# Altium PCB PCB.PcbDoc (part 2 of 2)
Units mil, origin at the board's own origin, x right, y up, seen from the top; angles counter-clockwise.
Board outline 3910.03 x 3905.03 mil, 4 copper layers (Top Layer, Int1 (GND), Int2 (PWR), Bottom Layer), stack 62.449 mil thick; 120 components, 95 nets, 487 pads, 251 vias.
Unrouted connection lines stored in the file: 2.
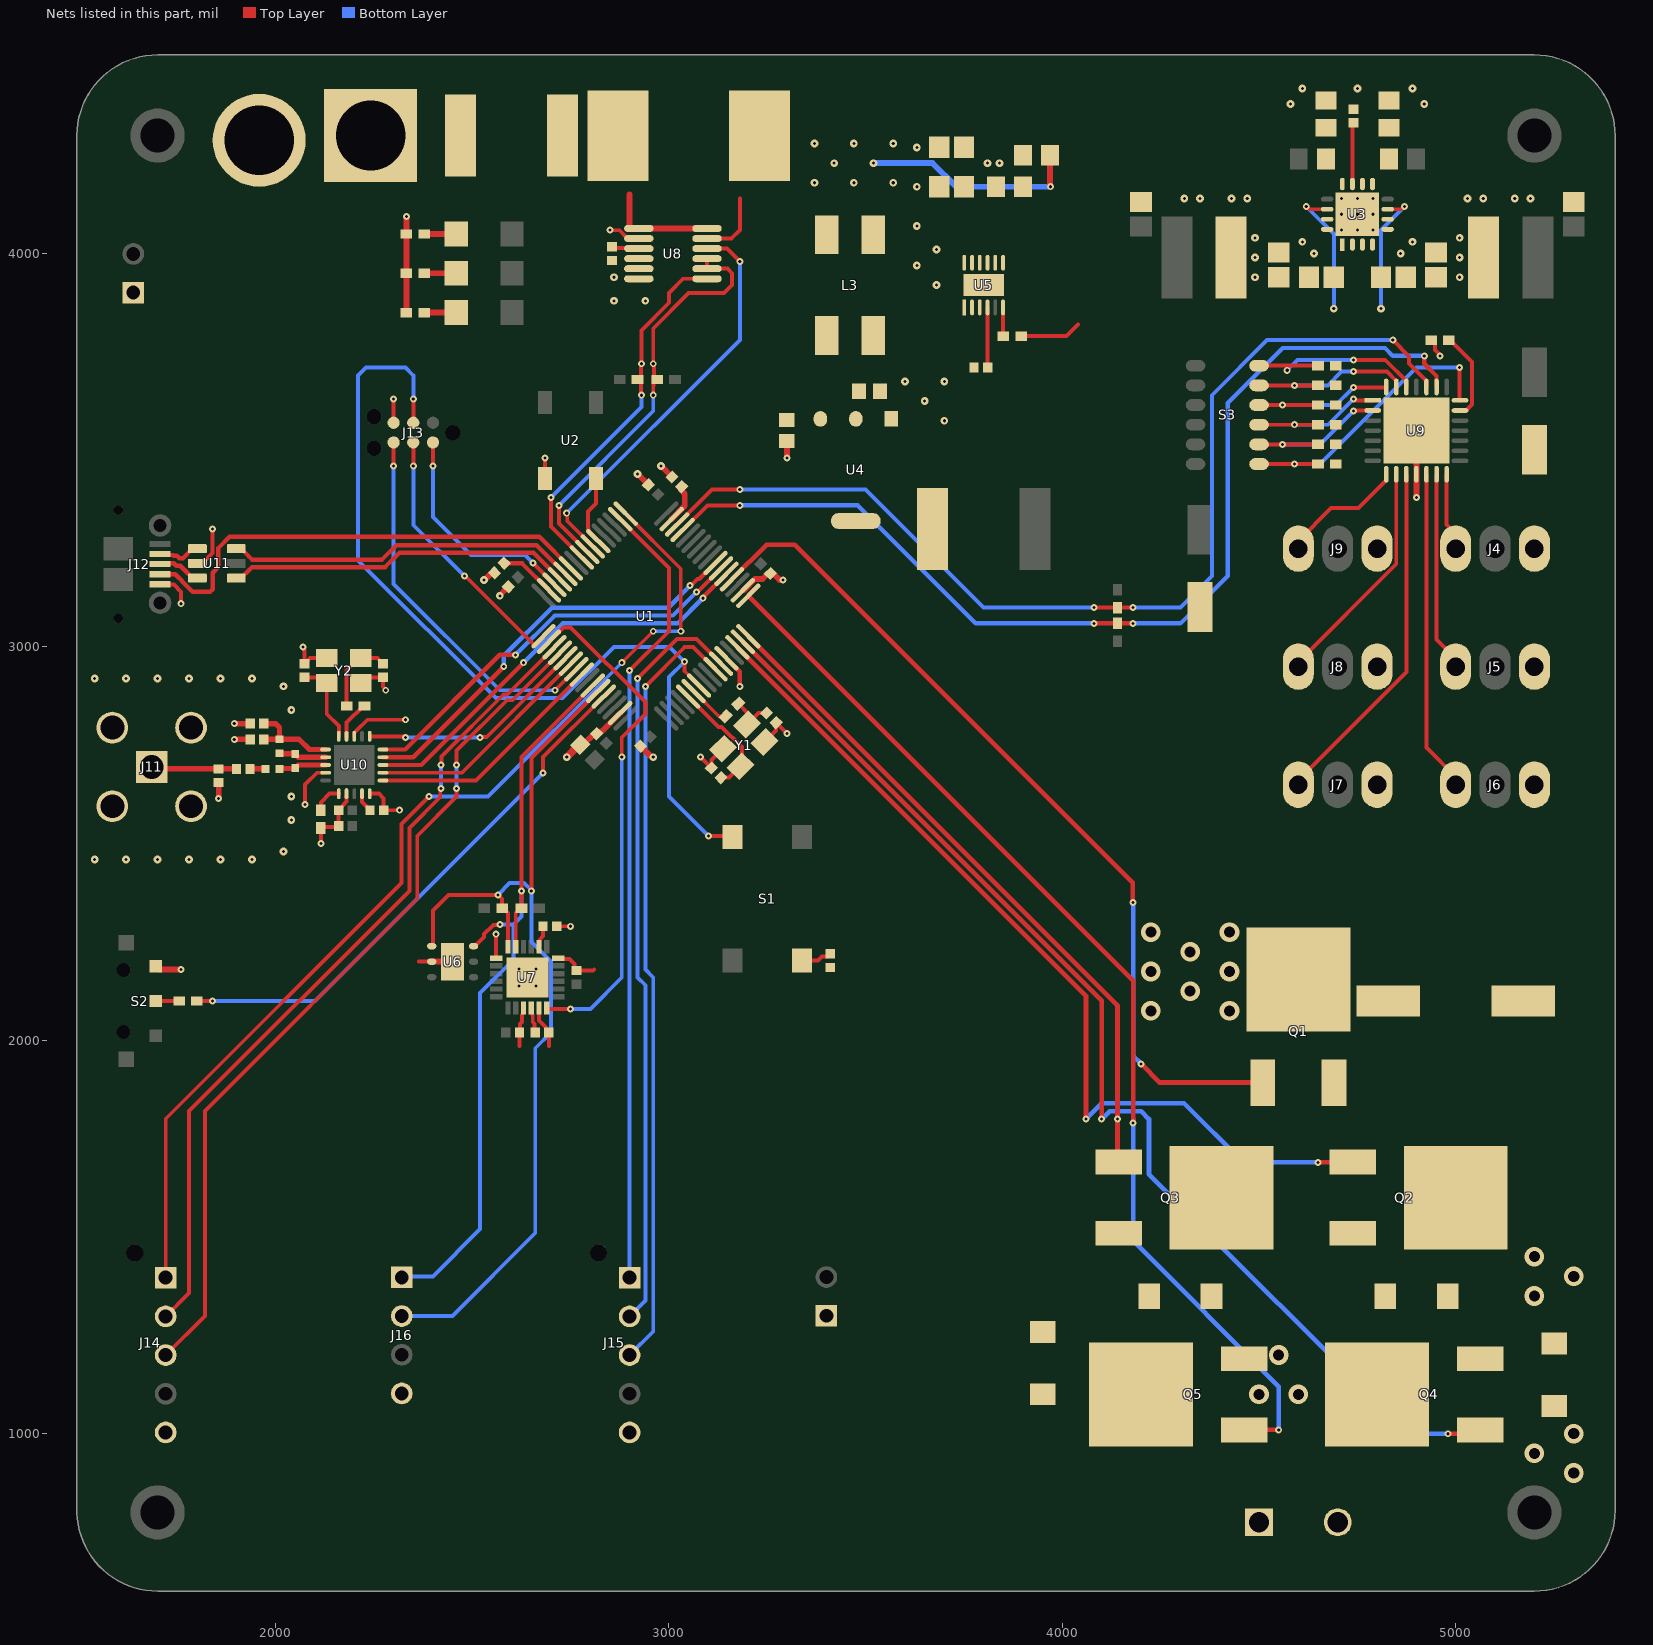
[diagram p4: the nets of this part, all layers, seen from the top]

## Via types
v1: diameter 17.72, hole 7.87, Top Layer to Bottom Layer, tented both sides, 125 vias
v2: diameter 19.68, hole 7.87, Top Layer to Bottom Layer, tented both sides, 109 vias
v3: diameter 50, hole 28, Top Layer to Bottom Layer, tented both sides, 17 vias

## Nets (pads, with @x,y where several pads share a name; then routed paths per layer and width w, separated by ;. In a path a pad name is that pad's centre, name@x,y a point inside that pad or via, vN(x,y) a via of type N, cw(c..) or ccw(c..) an arc to the next point about the centre after c; other vN are vias at no path point) (continued)
+10V: C13.2 C31.2 L3.3 L3.4 Q1.4 R11.2 U4.3 | length 555.3
  Top Layer w15: R11.2@3968.9,4250 3968.9,4171.84 3970,4170.74 v1(3970,4170)
  Bottom Layer w15: v2(3520,4230) 3670,4230 3730,4170 v1(3970,4170)
  other v2: 3370,4180 3470,4180 3570,4180 3420,4230 3370,4280 3470,4280 3570,4280
  other v3: 4225,2075 4425,2075 4325,2125 4225,2175 4425,2175 4325,2225 4225,2275 4425,2275
A0: R14.1 S3.12 U9.26 | length 513.2
  Top Layer w10: S3.12@4500,3715 4560,3715 4571.59,3715 ; v1(4571.59,3703.41) 4571.59,3715 ; R14.1@4650,3715 4571.59,3715 ; v1(4740,3730) 4820.78,3730 4874.41,3676.37 U9.26@4874.41,3660.85
  Bottom Layer w10: v1(4571.59,3703.41) 4598.17,3730 v1(4740,3730)
A1: R15.1 S3.11 U9.27 | length 448.6
  Top Layer w10: S3.11@4500,3665 v1(4590,3665) R15.1@4650,3665 ; v1(4740,3700) 4825.19,3700 4848.82,3676.37 U9.27@4848.82,3660.85
  Bottom Layer w10: v1(4590,3665) 4675,3665 4710,3700 v1(4740,3700)
A2: 16.1 S3.10 U9.28 | length 432.3
  Top Layer w10: S3.10@4500,3615 v1(4560,3615) 16.1@4650,3615 ; v1(4740,3660) 4822.53,3660 4823.23,3660.7 U9.28@4823.23,3660.85
  Bottom Layer w10: v1(4560,3615) 4695,3615 v1(4740,3660)
A3: R17.1 S3.9 U9.1 | length 377.4
  Top Layer w10: S3.9@4500,3565 v1(4590,3565) R17.1@4650,3565 ; v1(4740,3630) 4742.09,3630 4745.32,3626.77 U9.1@4789.15,3626.77
  Bottom Layer w10: v1(4590,3565) 4675,3565 v1(4740,3630)
A4: R18.1 S3.8 U9.2 | length 414.8
  Top Layer w10: S3.8@4500,3515 v1(4560,3515) R18.1@4650,3515 ; v1(4740,3600) 4740.89,3600.89 4788.86,3600.89 U9.2@4789.15,3601.18
  Bottom Layer w10: v1(4560,3515) 4655,3515 v1(4740,3600)
A5: R19.1 S3.7 U9.21 | length 755.1
  Top Layer w10: S3.7@4500,3465 v1(4590,3465) R19.1@4650,3465 ; v1(5010,3710) 5010,3627.47 5010.7,3626.77 U9.21@5010.85,3626.77
  Bottom Layer w10: v1(4590,3465) 4655,3465 4900,3710 v1(5010,3710)
BATT: C6.2 C7.2 C15.2 C16.2 R10.2 R13.1 U3.2 U3.3 U3.7 U3.14 U5.9 U5.10 U5.11 U5.12 U8.11 | length 1005.5
  Top Layer w10: U8.11@3096.61,4038.39 3158.39,4038.39 3180,4060 3180,4140 ; R10.2@3895.28,3790 4010,3790 4040,3820 ; v1(4620,4120) 4622.09,4120 4629.29,4112.8 U3.14@4673.11,4112.8 ; U3.7@4826.89,4112.8 4860.71,4112.8 4867.91,4120 v1(4870,4120)
  Bottom Layer w10: v1(4620,4120) 4690,4050 v2(4690,3860) ; v2(4810,3860) 4810,4060 v1(4870,4120)
GND: 16.2 C1.1 C2.1 C3.2 C4.2 C5.2 C6.1 C7.1 C10.1 C11.1 C12.1 C13.1 C14.1 C15.1 C16.1 C18.1 C19.1 C20.1 C21.1 C22.1 C23.1 C24.1 C25.1 C26.1 C27.1 C28.1 C29.2 C30.2 C31.1 C32.1 C33.1 C35.1 C36.1 C37.1 C38.2 C39.2 C40.1 D6.1 D7.1 J1.2 J2.1 J3.1 J4.1 J5.1 J6.1 J7.1 J8.1 J9.1 J11.2 J11.3 J11.4 J11.5 J12.5 J13.5 J14.5 J15.5 J16.4 Q4.3 Q5.3 R5.1 R6.1 R7.2 R8.2 R9.2 R12.1 R14.2 R15.2 R17.2 R18.2 R19.2 R20.2 R21.2 S2.1 U1.12 U1.18 U1.63 U2.3 U3.6 U3.10 U3.15 U3.17 U4.1 U5.8 U5.13 U6.2 U6.7 U7.1 U7.9 U7.11 U7.18 U7.25 U8.2 U8.4 U8.5 U8.6 U9.11 U9.29 U10.8 U10.14 U10.17 U10.20 U11.2 Y1.2 Y1.4 Y2.2 Y2.4 | length 3087.9
  Top Layer w10: J12.5@1706.3,3159.45 1707,3158.74 1741.26,3158.74 1760,3140 v1(1760,3110) ; U11.2@1801.18,3212.6 1813.39,3212.6 1840,3239.21 v1(1840,3300) ; v1(2070,3000) 2070,2997.91 2073.25,2994.66 C38.2@2073.25,2957.46 2074.04,2957.46 2080.85,2964.28 2080.85,2965.06 2087.43,2971.64 Y2.2@2129.94,2971.64 ; v1(2075,2600) 2075,2650 2105.24,2680.24 2127.09,2680.24 U10.14@2127.17,2680.32 ; v1(2115,2500) R21.2@2115,2539.72 2117.64,2542.36 2157.72,2542.36 C36.1@2160.35,2545 C37.1@2160.35,2585 2160.35,2585.79 2174.19,2599.62 2174.19,2601.33 2180.24,2607.37 U10.17@2180.24,2618.39 ; U10.8@2200,2772.83 2200,2781.54 2205.68,2787.22 2205.68,2787.49 2233.19,2815 v1(2330,2815) ; Y2.4@2216.56,2908.65 2230.73,2922.82 C39.2@2273.25,2922.82 2273.25,2898.84 2280,2892.09 v1(2280,2890) ; U10.20@2239.37,2627.17 2262.83,2627.17 2274.65,2615.35 C40.1@2274.65,2585 v1(2315,2585) ; J13.5@2300,3580 v1(2300,3630) ; 2365,2200 U6.2@2396.85,2200 ; v1(2560.22,2269.78) 2560.22,2210.25 U7.1@2561.26,2209.21 ; 2620,1985 C25.1@2620,2020 ; C25.1@2620,2020.79 2621.5,2022.29 2621.5,2041.74 2626.36,2046.6 2626.36,2064.65 2628.27,2066.56 2628.27,2080.35 U7.9@2630.16,2082.24 ; U7.11@2669.53,2082.24 2669.53,2050.51 2687.83,2032.2 2687.83,2026.81 C24.1@2694.65,2020 2694.82,2019.82 2694.82,1985.18 2695,1985 ; v1(2685,3480) 2685,3428.58 U2.3@2685.04,3428.54 ; C26.1@2714.65,2290 v1(2750,2290) ; U7.18@2718.74,2209.21 2720.63,2207.32 2746.82,2207.32 2760,2194.14 2760,2177.32 2807.32,2177.32 2810,2180 ; v1(2850,4060) 2850.63,4059.37 2873.86,4059.37 2892.32,4040.91 2920.87,4040.91 U8.2@2923.39,4038.39 ; v1(3080,2720) C3.2@3107.75,2692.25 ; C3.2@3107.75,2699.46 3107.75,2712.29 Y1.2@3137.11,2741.65 ; Y1.4@3242.89,2758.35 3272.25,2787.71 3272.25,2795.99 3271.69,2796.55 3271.69,2807.19 C4.2@3272.25,2807.75 v1(3300,2780) ; R20.2@4937.36,3780 4940.31,3780 4947.13,3773.19 4947.13,3754.96 4960,3742.09 v1(4960,3740)
  Top Layer w12: U1.12@3170.96,2946.45 3180,2937.4 v1(3180,2900)
  Top Layer w13.72: v1(1855,2615) C35.1@1855,2655.35 ; v1(1895,2765) C32.1@1935.35,2765 ; v1(1895,2805) C33.1@1935.35,2805
  Top Layer w15: S2.1@1695.67,2188.58 1703.92,2180.33 1728.31,2180.33 1728.64,2180 v1(1760,2180) ; R7.2@2332.36,3850 R9.2@2332.36,3950 R8.2@2332.36,4050 2332.68,4050.32 2332.68,4093.68 v1(2333,4094) ; U6.2@2396.85,2200 U6.7@2450,2200 ; v2(2530,3170) 2530.74,3170 2549.73,3189 2555.83,3189 C1.1@2556.3,3188.53 ; v2(2570,3130) 2570.52,3130.52 2570.52,3132.04 C20.1@2591.65,3153.18 ; C23.1@2774.14,2750.99 2781.13,2750.99 2809.94,2779.8 C19.1@2816.04,2779.8 2822.13,2779.8 2829.5,2787.17 2830.86,2787.17 U1.63@2876,2832.31 ; v2(2920,3440) C21.1@2947.75,3412.25 ; C18.1@2927.75,2747.75 2954.61,2720.9 2959.1,2720.9 v2(2960,2720) ; v2(2980,3460) C2.1@3007.75,3432.25 ; U1.18@3187.8,3144.1 3190.05,3144.1 3218.59,3172.64 3237.63,3172.64 3251.63,3186.64 C22.1@3257.73,3186.64 3258.28,3187.2 3264.38,3187.2 3281.06,3170.52 3289.48,3170.52 v1(3290,3170) ; v1(3300,3480) C13.1@3300,3523.43 ; R14.2@4695.28,3715 R14.2@4698.23,3715 ; v1(4900,3380) U9.29@4900,3550
  Top Layer w20: v2(2740,2720) 2770.99,2750.99 C23.1@2774.14,2750.99
  other v2: 2618.35,2138.35 2661.65,2138.35 2618.35,2181.65 2661.65,2181.65 1540,2460 1620,2460 1700,2460 1780,2460 1860,2460 1940,2460 2020,2480 2040,2560 2040,2620 2040,2840 2020,2900 1540,2920 1620,2920 1700,2920 1780,2920 1860,2920 1940,2920 3700,3575 3650,3625 3600,3675 3700,3675 2860,3880 2940,3880 3680,3920 2860,3940 3630,3970 3680,4010.16 4710,4060 4750,4060 4790,4060 3630,4070 4710,4100 4750,4100 4790,4100 4310,4140 4350,4140 4430,4140 4470,4140 4710,4140 4750,4140 4790,4140 5030,4140 5070,4140 5150,4140 5190,4140 3630,4170 3810,4230 3840,4230 3630,4270 4580,4380 4920,4380 4610,4420 4750,4420 4890,4420
  other v3: 5300,900 5200,950 5300,1000 4500,1100 4600,1100 4550,1200 5200,1350 5300,1400 5200,1450
"I2C1 SCL": J16.1 R23.2 U1.58 U6.6 U7.23 | length 2030
  Top Layer w10: U6.6@2503.15,2239.37 2507.09,2239.37 2530,2262.28 2530,2270 2553.52,2293.52 2568.52,2293.52 v1(2570,2295) ; U7.23@2610.47,2237.76 2610.47,2324.43 2622.05,2336 R23.2@2625,2336 v1(2625,2380) 2625,2720.5 U1.58@2806.4,2901.9
  Bottom Layer w10: J16.1@2320.67,1397.64 2323.03,1400 2400,1400 2520,1520 2520,2120 2605,2205 2605,2295 ; v1(2570,2295) 2605,2295 ; v1(2625,2380) 2625,2315 2605,2295
"I2C1 SDA": J16.2 R24.1 U1.59 U6.1 U7.24 | length 2437.6
  Top Layer w10: U6.1@2396.85,2239.37 2397.34,2239.37 2400,2242.03 2400,2330 2440,2370 v1(2565,2370) 2575,2360 2575,2337 R24.1@2576,2336 2578.95,2336 2590.79,2324.17 U7.24@2590.79,2237.76 ; v1(2650,2380) 2650,2717.66 U1.59@2820.32,2887.98
  Bottom Layer w10: J16.2@2320.67,1299.21 2449.21,1299.21 2660,1510 2660,1980 2700,2020 2700,2200 2650,2250 v1(2650,2380) 2650,2381.67 2631.67,2400 2595,2400 v1(2565,2370)
"I2C2 SCL": R25.2 U1.29 U9.23 | length 2683.6
  Top Layer w10: U1.29@3034.68,3297.21 3097.47,3360 v1(3180,3360)
  Top Layer w11.07: v1(4080,3060) R25.2@4140,3060 v1(4180,3060) ; v1(4920,3740) 4920,3720 4951.18,3688.82 U9.23@4951.18,3660.85
  Bottom Layer w11.07: v1(3180,3360) 3480,3360 3780,3060 v1(4080,3060) ; v1(4180,3060) 4300,3060 4420.38,3180.38 4420.38,3620.38 4560,3760 4820,3760 4840,3740 v1(4920,3740)
"I2C2 SDA": R26.1 U1.30 U9.24 | length 2686
  Top Layer w10: U1.30@3020.76,3311.13 3109.63,3400 v1(3180,3400) ; v1(4080,3100) R26.1@4140,3100 v1(4180,3100) ; v1(4840,3780) 4881.48,3738.52 4881.48,3720.49 4925.59,3676.37 U9.24@4925.59,3660.85
  Bottom Layer w10: v1(3180,3400) 3500,3400 3800,3100 v1(4080,3100) ; v1(4180,3100) 4300,3100 4380,3180 4380,3640 4520,3780 v1(4840,3780)
"I2C3 SCL": R27.2 U1.41 U8.7 | length 949.3
  Top Layer w10: v1(2700,3380) 2700,3306.18 U1.41@2778.56,3227.62 ; R27.2@2920,3680 R27.2@2921.71,3680 ; v1(2930,3640) 2928.52,3641.48 2928.52,3673.19 R27.2@2921.71,3680 ; U8.7@3096.61,3936.02 3036.02,3936.02 3000,3900 3000,3875 2930,3805 v1(2930,3720) 2928.52,3718.52 2928.52,3686.81 R27.2@2921.71,3680
  Bottom Layer w10: v1(2700,3380) 2930,3610 v1(2930,3640)
"I2C3 SDA": R28.1 U1.40 U8.8 U8.9 | length 1068.5
  Top Layer w10: v1(2720,3360) 2720,3314.02 U1.40@2792.48,3241.54 ; v1(2960,3640) 2960,3663.86 2960.24,3664.09 2960.24,3685.57 2961.48,3686.81 2961.48,3718.52 v1(2960,3720) 2960,3810 3050,3900 3140,3900 3160,3920 3160,3950 3148.39,3961.61 U8.8@3096.61,3961.61 U8.9@3096.61,3987.2
  Bottom Layer w10: v1(2720,3360) 2960,3600 v1(2960,3640)
"IMU CPOUT": C26.2 U7.20 | length 56.6
  Top Layer w10: U7.20@2669.53,2237.76 2671.42,2239.65 2671.42,2256.31 2680,2264.89 C26.2@2680,2290
"IMU INT": U1.50 U7.12 | length 1288.8
  Top Layer w10: U7.12@2689.21,2082.24 2689.21,2081.89 2691.1,2080 v1(2750,2080) ; U1.50@2695.05,3013.26 2731.79,3050 2750,3050 2940,2860 2940,2830 2880,2770 v1(2880,2720)
  Bottom Layer w10: v1(2750,2080) 2800,2080 2880,2160 v1(2880,2720)
"IMU REGOUT": C24.2 U7.10 | length 65.7
  Top Layer w10: U7.10@2649.84,2082.24 2651.73,2080.35 2651.73,2066.56 2653.64,2064.65 2653.64,2046.6 2658.5,2041.74 2658.5,2022.29 C24.2@2660,2020.79
LED5: J9.3 U9.8 | length 322.2
  Top Layer w10: J9.3@4600,3250 4600,3269.68 4683.4,3353.09 4752.69,3353.09 4823.23,3423.63 U9.8@4823.23,3439.15
LED6: J8.3 U9.9 | length 592.2
  Top Layer w10: J8.3@4600,2950 4600,2961.91 4848.82,3210.73 U9.9@4848.82,3439.15
LED7: J7.3 U9.10 | length 902.8
  Top Layer w10: J7.3@4600,2650 4600,2661.91 4874.41,2936.32 U9.10@4874.41,3439.15
LED8: J6.3 U9.12 | length 820
  Top Layer w10: U9.12@4925.59,3439.15 4925.59,2744.09 5000,2669.68 J6.3@5000,2650
LED9: J5.3 U9.13 | length 509.4
  Top Layer w10: U9.13@4951.18,3439.15 4951.18,3018.5 5000,2969.68 J5.3@5000,2950
LED10: J4.3 U9.14 | length 198.8
  Top Layer w10: U9.14@4976.77,3439.15 4976.77,3311.51 5000,3288.29 J4.3@5000,3250
"MCU BOOT0": R2.1 U1.60 | length 1378.2
  Top Layer w10: R2.1@1800,2100 v1(1840,2100) ; v1(2680,2680) 2680,2719.82 U1.60@2834.24,2874.06
  Bottom Layer w10: v1(1840,2100) 2100,2100 v1(2680,2680)
"MCU OSC IN": C3.1 U1.5 Y1.3 | length 301.5
  Top Layer w10: U1.5@3048.6,2874.06 3125.79,2796.87 3133.58,2796.87 3185.13,2745.33 3185.13,2700.59 Y1.3@3181.65,2697.11 3152.29,2667.75 3144.01,2667.75 3143.45,2668.31 3132.81,2668.31 C3.1@3132.25,2667.75
"MCU OSC OUT": R1.1 U1.6 | length 109.7
  Top Layer w10: U1.6@3062.52,2887.98 3126.51,2823.99 3130.18,2823.99 3132.27,2821.9 3141.9,2821.9 R1.1@3143.99,2823.99
MCU_NRST: J13.3 S1.3 U1.7 | length 2419.2
  Top Layer w10: J13.3@2350,3580 v1(2350,3630) ; v1(3039.2,2962.52) 3040,2961.72 3040,2938.34 U1.7@3076.44,2901.9 ; v1(3100,2520) 3157.91,2520 S1.3@3161.42,2516.5
  Bottom Layer w10: v1(2350,3630) 2350,3690 2330,3710 2230,3710 2210,3690 2210,3220 2560,2870 2730,2870 2860,3000 3001.72,3000 v1(3039.2,2962.52) 3000,2923.32 3000,2620 v1(3100,2520)
"MOTOR 1": Q2.1 U1.14 | length 2323.5
  Top Layer w12: U1.14@3173.88,2999.34 4060,2113.21 v1(4060,1800) ; v1(4650,1690) 4737.64,1690 Q2.1@4738.19,1690.55
  Bottom Layer w12: v1(4060,1800) 4100,1840 4309.23,1840 4459.23,1690 v1(4650,1690)
"MOTOR 2": Q4.1 U1.15 | length 2986.8
  Top Layer w12: U1.15@3187.8,3013.26 4100,2101.05 v1(4100,1800) ; v1(4980,1000) 5052.36,1000 Q4.1@5061.81,1009.45
  Bottom Layer w12: v1(4100,1800) 4120,1820 4200,1820 4220,1800 4220,1660 4880,1000 v1(4980,1000)
"MOTOR 3": Q3.1 U1.16 | length 1726.4
  Top Layer w12: U1.16@3201.71,3027.18 4140,2088.89 v1(4140,1800) 4140,1693.37 Q3.1@4142.81,1690.55
"MOTOR 4": Q5.1 U1.17 | length 2777.1
  Top Layer w12: U1.17@3201.71,3130.18 4180,2151.9 v1(4180,1790) ; Q5.1@4461.81,1009.45 4462.36,1010 v1(4550,1010)
  Bottom Layer w12: 4180,1800 v1(4180,1790) 4180,1490 4550,1120 v1(4550,1010)
"MOTOR EN": Q1.1 U1.20 | length 2220.2
  Top Layer w12: U1.20@3159.96,3171.94 3248.02,3260 3320,3260 4178.91,2401.09 4178.91,2351.09 v1(4180,2350) ; v1(4200,1940) 4247.19,1892.82 Q1.1@4509.45,1892.82 Q1.1@4502.26,1900
  Bottom Layer w12: v1(4180,2350) 4180,1960 v1(4200,1940)
Net_1: R10.1 U5.6 | length 73.6
  Top Layer w10: U5.6@3849.21,3863.26 3849.44,3863.03 3849.44,3790.56 R10.1@3850,3790
NetC1_2: C1.2 U1.47 | length 142.8
  Top Layer w11.07: C1.2@2580.8,3213.03 2581.35,3212.47 2626.68,3212.47 U1.47@2695.05,3144.1
NetC2_2: C2.2 U1.31 | length 100.1
  Top Layer w15: U1.31@3006.84,3325.05 3006.84,3325.54 3040,3358.7 3040,3389.25 3031.69,3397.56 3031.69,3407.19 C2.2@3032.25,3407.75
NetC5_1: C5.1 S1.2 | length 78.3
  Top Layer w10: S1.2@3338.58,2203.5 3379.17,2203.5 3388.86,2213.19 3403.19,2213.19 C5.1@3410,2220
NetC8_1: C8.1 L1.2 U3.5
  other v2: 5010,3940 5010,3990 4860,4000 4890,4030 5010,4040
NetC8_2: C8.2 U3.4
NetC9_1: C9.1 L2.2 U3.16
  other v2: 4490,3940 4490,3990 4640,4000 4610,4030 4490,4040
NetC9_2: C9.2 U3.1
NetC12_2: C12.2 U3.11 | length 156.9
  Top Layer w10: U3.11@4737.2,4176.89 4737.67,4177.36 4737.67,4330.35 C12.2@4740,4332.68
NetC14_2: C14.2 F2.2 U4.2 U4.4
NetC17_1: C17.1 L3.1 L3.2 U5.1 U5.2 U5.3
NetC17_2: C17.2 U5.4 | length 153.3
  Top Layer w10: U5.4@3809.84,3863.26 3809.92,3863.18 3809.92,3710.08 C17.2@3810,3710
NetC28_2: C28.2 U8.3 | length 65.3
  Top Layer w10: C28.2@2860,4017.32 2863.05,4014.27 2921.91,4014.27 U8.3@2923.39,4012.8
NetC39_1: C39.1 R22.1 Y2.1 | length 202.8
  Top Layer w10: R22.1@2180.61,2850.14 2180,2850.76 2180,2940 2211.64,2971.64 Y2.1@2216.56,2971.64 2259.08,2971.64 2265.65,2965.06 2265.65,2964.28 2272.46,2957.46 C39.1@2273.25,2957.46
NetD1_2: D1.2 R7.1 | length 81.5
  Top Layer w15: R7.1@2377.64,3850 D1.2@2459.13,3850
NetD2_2: D2.2 R8.1 | length 81.5
  Top Layer w15: R8.1@2377.64,4050 D2.2@2459.13,4050
NetD3_2: D3.2 R9.1 | length 81.5
  Top Layer w15: R9.1@2377.64,3950 D3.2@2459.13,3950
NetD4_1: D4.1 D6.2 J10.2 Q2.3 Q4.4
NetD4_2: D4.2 D5.2 Q1.3 Q2.4 Q3.4
NetD5_1: D5.1 D7.2 J10.1 Q3.3 Q5.4
NetF1_2: F1.2 J1.1
NetR2_2: R2.2 S2.2 | length 59.1
  Top Layer w10: S2.2@1695.67,2100 R2.2@1754.72,2100
NetR3_1: R3.1 R5.2 U3.9
NetR4_1: R4.1 R6.2 U3.12
NetR11_1: R11.1 R12.2 U5.7
"NRF ANT1": L5.1 L6.1 U10.12 | length 121.4
  Top Layer w13.72: L6.1@2010,2730 2011.14,2728.86 2048.86,2728.86 L5.1@2050,2727.72 2058.03,2719.69 U10.12@2127.17,2719.69
"NRF ANT2": L5.2 L7.1 U10.13 | length 121.3
  Top Layer w13.72: L7.1@2010,2690 2011.14,2691.14 2048.86,2691.14 L5.2@2050,2692.28 2057.72,2700 U10.13@2127.17,2700
"NRF CE": U1.56 U10.1 | length 617.2
  Top Layer w10: U10.1@2272.83,2660.63 2509.45,2660.63 U1.56@2778.56,2929.74
"NRF CSN": U1.54 U10.2 | length 592.7
  Top Layer w10: U10.2@2272.83,2680.32 2473.46,2680.32 U1.54@2750.73,2957.58
"NRF DVDD": C40.2 U10.19 | length 50.6
  Top Layer w10: U10.19@2219.68,2627.17 2219.76,2627.09 2219.76,2606.02 2240,2585.79 C40.2@2240,2585
"NRF INT": U1.53 U10.6 | length 582.1
  Top Layer w10: U10.6@2239.37,2772.83 2325.08,2772.83 2327.91,2770 v1(2330,2770) ; v1(2520,2770) 2521.48,2771.48 2536.78,2771.48 U1.53@2736.81,2971.5
  Bottom Layer w10: v1(2330,2770) v1(2520,2770)
"NRF IREF": R21.1 U10.16 | length 74.8
  Top Layer w10: R21.1@2115,2585 2115,2605 2137.17,2627.17 U10.16@2160.63,2627.17
"NRF PA": C32.2 C33.2 L6.2 U10.11 | length 241.8
  Top Layer w13.72: C32.2@1970,2765 1970.22,2765.22 2009.78,2765.22 L6.2@2010,2765.43 ; C33.2@1970,2805 2000,2805 2010,2795 L6.2@2010,2765.43 ; U10.11@2127.17,2739.37 2085.63,2739.37 2059.57,2765.43 L6.2@2010,2765.43
"NRF XC1": C38.1 U10.10 Y2.3 | length 211.1
  Top Layer w10: C38.1@2073.25,2922.82 2115.77,2922.82 Y2.3@2129.94,2908.65 2129.94,2830.06 2160.63,2799.37 U10.10@2160.63,2772.83
"NRF XC2": R22.2 U10.9 | length 97.9
  Top Layer w10: U10.9@2180.31,2772.83 2180.31,2807.52 2222.94,2850.14 R22.2@2225.89,2850.14
"OSC RES": C4.1 R1.2 Y1.1 | length 126.8
  Top Layer w10: R1.2@3176.01,2856.01 3201.26,2830.75 3201.26,2805.81 Y1.1@3198.35,2802.89 3227.71,2832.25 3235.99,2832.25 3236.55,2831.69 3247.19,2831.69 C4.1@3247.75,2832.25
"PCA1 OE": R20.1 U9.20 | length 226.4
  Top Layer w10: R20.1@4982.64,3780 4985.59,3780 5041.13,3724.46 5041.13,3615.94 5026.37,3601.18 U9.20@5010.85,3601.18
"PWR INT": U1.39 U8.10 | length 1031.3
  Top Layer w10: v1(2740,3340) 2741.48,3338.52 2741.48,3320.38 U1.39@2806.4,3255.46 ; U8.10@3096.61,4012.8 3147.2,4012.8 v1(3180,3980)
  Bottom Layer w10: v1(2740,3340) 3180,3780 v1(3180,3980)
"PWR MON": F1.1 R13.2 U8.1 U8.12 | length 281.9
  Top Layer w15: 2900,4150 2900,4065.23 2901.25,4063.98 U8.1@2923.39,4063.98 U8.12@3096.61,4063.98
"RF L3-C25": C34.2 L7.2 | length 39.6
  Top Layer w13.72: C34.2@1935,2690 L7.2@1974.57,2690
"RF SMA": C34.1 C35.2 J11.1 | length 217.4
  Top Layer w13.72: J11.1@1685,2695 1690,2690 C35.2@1855,2690 C34.1@1900.35,2690
"SPI1 MISO": U1.22 U10.5 | length 1050
  Top Layer w11.07: U10.5@2272.83,2739.37 2329.37,2739.37 2570,2980 v1(2610,2980) ; v1(3070,3140) 3071.27,3141.27 3073.61,3141.27 U1.22@3132.12,3199.78
  Bottom Layer w11.07: v1(2610,2980) 2710,3080 3010,3080 v1(3070,3140)
"SPI1 MOSI": U1.23 U10.4 | length 1066.1
  Top Layer w11.07: U10.4@2272.83,2719.69 2349.69,2719.69 v1(2580,2950) ; v1(3053.94,3156.06) 3055.74,3156.06 3072.4,3172.73 3077.23,3172.73 U1.23@3118.2,3213.7
  Bottom Layer w11.07: v1(2580,2950) 2580,2977.42 2702.58,3100 2997.87,3100 v1(3053.94,3156.06)
"SPI1 SCK": U1.21 U10.3 | length 1075.6
  Top Layer w11.07: U10.3@2272.83,2700 2370,2700 v1(2630,2960) ; v1(3086.06,3123.94) 3086.06,3125.68 3146.04,3185.66 U1.21@3146.04,3185.86
  Bottom Layer w11.07: v1(2630,2960) 2730,3060 3022.13,3060 v1(3086.06,3123.94)
"SPI2 MISO": J15.3 U1.10 | length 1976.1
  Top Layer w10: v1(2940,2900) 3040,3000 3061.37,3000 3117.71,2943.66 U1.10@3118.2,2943.66
  Bottom Layer w10: J15.3@2900,1200 2960,1260 2960,2160 2940,2180 v1(2940,2900)
"SPI2 MOSI": J15.2 U1.11 | length 1925.8
  Top Layer w10: v1(2920,2920) 3020,3020 3069.7,3020 U1.11@3132.12,2957.58
  Bottom Layer w10: J15.2@2900,1298.43 2940,1338.43 2940,2140 2920,2160 v1(2920,2920)
"SPI2 SCK": J15.1 U1.34 | length 2021
  Top Layer w10: U1.34@2876,3325.05 3000,3201.05 3000,3040 v1(2900,2940)
  Bottom Layer w10: J15.1@2900,1396.85 v1(2900,2940)
"STATUS LED": U1.38 U2.4 | length 178.5
  Top Layer w10: U2.4@2814.96,3428.54 2814.96,3364.96 2794.28,3344.28 2794.28,3302.18 2794.92,3301.54 2794.92,3294.78 U1.38@2820.32,3269.38
SWCLK: J13.4 U1.49 | length 666.9
  Top Layer w10: v1(2350,3460) J13.4@2350,3510 ; v1(2480,3180) 2482.09,3180 2657.43,3004.66 2658.61,3004.66 U1.49@2681.13,3027.18
  Bottom Layer w10: v1(2350,3460) 2350,3310 v1(2480,3180)
SWDIO: J13.2 U1.46 | length 560.7
  Top Layer w10: v1(2400,3460) J13.2@2400,3510 ; v1(2653.92,3213.92) 2653.92,3213.07 U1.46@2708.97,3158.02
  Bottom Layer w10: v1(2400,3460) 2400,3330 2496.33,3233.67 2634.17,3233.67 v1(2653.92,3213.92)
SWO: J13.6 U1.55 | length 948.7
  Top Layer w10: v1(2300,3460) J13.6@2300,3510 ; v1(2710,2890) 2710.49,2890 2764.15,2943.66 U1.55@2764.64,2943.66
  Bottom Layer w10: v1(2300,3460) 2300,3160 2570,2890 v1(2710,2890)
"USART3 CK": J14.1 U1.33 | length 2671.4
  Top Layer w10: J14.1@1720.67,1396.85 1720.67,1800.67 2320,2400 2320,2550 v1(2390,2620) ; v1(2880,2960) v1(2960,3040) ; U1.33@2889.92,3338.97 3030,3198.89 v1(3030,3040)
  Bottom Layer w10: v1(2390,2620) 2540,2620 v1(2880,2960) ; v1(2960,3040) v1(3030,3040)
"USART3 RX": J14.3 U1.52 | length 2208.8
  Top Layer w10: J14.3@1720.67,1200 1820,1299.33 1820,1820 2360,2360 2360,2520 2460,2620 v1(2460,2640) ; v1(2460,2700) 2460,2736.67 2587.98,2864.65 2602.12,2864.65 U1.52@2722.89,2985.42
  Bottom Layer w10: v1(2460,2640) v1(2460,2700)
"USART3 TX": J14.2 U1.51 | length 2115.9
  Top Layer w10: J14.2@1720.67,1298.43 1780,1357.76 1780,1820 2340,2380 2340,2540 2418.52,2618.52 2418.52,2638.52 v1(2420,2640) ; v1(2420,2700) 2421.48,2701.48 2421.48,2721.48 2578.65,2878.65 2588.28,2878.65 U1.51@2708.97,2999.34
  Bottom Layer w10: v1(2420,2640) v1(2420,2700)
USB_D_ESD_N: J12.2 U11.1 | length 109.4
  Top Layer w11.07: J12.2@1706.3,3236.22 1708.64,3233.88 1739.24,3233.88 1741.14,3231.98 1749.04,3231.98 1755.41,3225.6 1764.58,3225.6 1788.98,3250 U11.1@1801.18,3250
USB_D_ESD_P: J12.3 U11.3 | length 111.6
  Top Layer w11.07: J12.3@1706.3,3210.63 1708.59,3212.92 1741.14,3212.92 1747.52,3206.54 1757.87,3206.54 1769.17,3195.24 1769.17,3195 1788.98,3175.2 U11.3@1801.18,3175.2
USB_D_N: U1.44 U11.6 | length 894
  Top Layer w11.07: U11.6@1900,3250 1912.2,3250 1933.35,3228.85 1933.35,3228.61 1939.83,3222.13 2270.43,3222.13 2307.19,3258.89 2663.34,3258.89 2710.94,3211.29 2711.18,3211.29 2736.6,3185.86 U1.44@2736.81,3185.86
USB_D_P: U1.45 U11.4 | length 878.2
  Top Layer w11.07: U11.4@1900,3175.2 1912.2,3175.2 1933.35,3196.34 1933.35,3196.58 1939.83,3203.07 2278.33,3203.07 2315.09,3239.82 2655.44,3239.82 2697.46,3197.81 2697.46,3197.57 2722.89,3172.14 U1.45@2722.89,3171.94
USB_ID: J12.4 U1.43 | length 1207.9
  Top Layer w11.07: J12.4@1706.3,3185.04 1744.96,3185.04 1749.98,3180.02 1762.55,3167.45 1762.55,3166.62 1789.16,3140 1833.52,3140 1840,3146.48 1840,3188.61 1854.53,3203.14 1854.53,3251.75 1882.79,3280 2670.5,3280 U1.43@2750.73,3199.78
pads on no net: J12.1 J12.6 J12.7 J12.8 J12.9 J12.10 J12.11 J13. J14. J15. S1.1 S1.4 S2. S2.4 S2.5 U1.2 U1.3 U1.4 U1.8 U1.9 U1.24 U1.25 U1.26 U1.27 U1.28 U1.35 U1.36 U1.37 U1.42 U1.57 U1.61 U1.62 U2.2 U3.8 U3.13 U5.5 U6.3 U6.4 U7.2 U7.3 U7.4 U7.5 U7.6 U7.7 U7.14 U7.15 U7.16 U7.17 U7.19 U7.21 U7.22 U9.3 U9.4 U9.5 U9.6 U9.7 U9.15 U9.16 U9.17 U9.18 U9.19 U9.22 U10.21
copper on no net:
  other v2: 2178.35,2678.35 2221.65,2678.35 2178.35,2721.65 2221.65,2721.65

## Polygon pours and split planes (outlines as drawn)
+3V3 on Top Layer "NONET_L01_P-001" (solid, pour order 95): 3800,3400 3850,3450 3850,3650 3900,3700 4050,3700 4100,3650 4100,3200 4050,3150 3850,3150 3800,3200
GND on Top Layer "NONET_L01_P-001" (solid, pour order 93): 3500,3675 3525,3700 3700,3700 3750,3650 3750,3550 3725,3525 3525,3525 3500,3550
NetC14_2 on Top Layer "NONET_L01_P-001" (solid, pour order 92): 3475,3700 3450,3700 3425,3675 3425,3425 3400,3400 3400,3250 3475,3175 3725,3175 3750,3200 3750,3400 3700,3450 3525,3450 3500,3475 3500,3675
+10V on Top Layer "NONET_L01_P-001" (solid, pour order 90): 3200,3625 3275,3550 3400,3550 3425,3575 3425,3625 3400,3650 3350,3650 3325,3675 3325,3925 3400,4000 3400,4100 3350,4150 3300,4100 3250,4100 3200,4050
"PWR MON" on Top Layer "NONET_L01_P-001" (solid, pour order 89): 3000,4200 2950,4150 2700,4150 2650,4200 2650,4400 2700,4450 2950,4450 3000,4400
NetF1_2 on Top Layer "NONET_L01_P-001" (solid, pour order 88): 2500,4450 2550,4400 2550,4200 2500,4150 2150,4150 2100,4200 2100,4400 2150,4450
GND on Top Layer "GND_L01_P017" (solid, pour order 17): 2850,3860 2830,3880 2830,3980 2850,4000 2950,4000 2970,3980 2970,3880 2950,3860
+10V on Top Layer "NONET_L01_P-001" (solid, pour order 78): 3360,3980 3340,4000 3340,4300 3360,4320 3580,4320 3600,4300 3600,4000 3580,3980
BATT on Top Layer "NONET_L01_P-001" (solid, pour order 86): 4510,3890 4530,3890 4540,3880 4540,3820 4520,3800 4060,3800 4020,3840 4020,4280 3980,4320 3360,4320 3340,4300 3340,4160 3300,4120 3140,4120 3100,4160 3100,4420 3140,4460 4060,4460 4140,4380 4140,3880 4160,3860 4480,3860
BATT on Top Layer "NONET_L01_P-001" (solid, pour order 75): 3720,4300 3700,4320 3700,4340 3810,4340 3810,4320 3790,4300 3790,4140 3820,4110 3820,3960 3810,3950 3750,3950 3720,3980
GND on Top Layer "Top Layer-GND" (solid, pour order 83): 3810,3950 3820,3960 3820,4110 3790,4140 3790,4250 3800,4260 3850,4260 3860,4250 3860,4130 3840,4110 3840,3950 3850,3950 3860,3940 3860,3900 3850,3890 3630,3890 3600,3920 3600,4300 3620,4320 3700,4320 3720,4300 3720,3980 3750,3950
+6V on Top Layer "NONET_L01_P-001" (solid, pour order 82): 4240,3380 4220,3360 4220,3240 4240,3220 4460,3220 4480,3240 4480,3360 4460,3380
GND on Top Layer "NONET_L01_P-001" (solid, pour order 81): 4240,3180 4220,3160 4220,3040 4240,3020 4460,3020 4480,3040 4480,3160 4460,3180
GND on Top Layer "NONET_L01_P-001" (solid, pour order 80): 5090,3580 5070,3560 5070,3440 5090,3420 5310,3420 5330,3440 5330,3560 5310,3580
GND on Top Layer "NONET_L01_P-001" (solid, pour order 68): 4930,4360 4940,4370 4940,4420 4920,4440 4580,4440 4560,4420 4560,4370 4570,4360 4700,4360 4710,4350 4750,4350 4760,4340 4760,4320 4750,4310 4750,4160 4770,4160 4770,4330 4800,4360
BATT on Top Layer "NONET_L01_P-001" (solid, pour order 55): 4990,3840 4970,3820 4530,3820 4510,3840 4510,3940 4530,3960 4570,3960 4590,3940 4590,3900 4710,3900 4730,3920 4730,4040 4770,4040 4770,3920 4790,3900 4910,3900 4910,3940 4930,3960 4970,3960 4990,3940
NetC9_2 on Top Layer "NETC9_2_L01_P056" (solid, pour order 56): 4670,3900 4660,3910 4660,3970 4700,4010 4700,4040 4720,4040 4720,4010 4730,4000 4730,3920 4710,3900
NetC8_2 on Top Layer "NONET_L01_P-001" (solid, pour order 57): 4830,3900 4840,3910 4840,3970 4800,4010 4800,4040 4780,4040 4780,4010 4770,4000 4770,3920 4790,3900
NetC9_1 on Top Layer "NONET_L01_P-001" (solid, pour order 58): 4600,3900 4590,3910 4590,4040 4620,4070 4690,4070 4690,4050 4670,4050 4660,4040 4660,3910 4650,3900
NetC8_1 on Top Layer "NONET_L01_P-001" (solid, pour order 59): 4900,3900 4910,3910 4910,4040 4880,4070 4810,4070 4810,4050 4830,4050 4840,4040 4840,3910 4850,3900
GND on Top Layer "NONET_L01_P-001" (solid, pour order 60): 4980,3980 4990,3990 4990,4080 5010,4100 5330,4100 5350,4120 5350,4160 5330,4180 4970,4180 4890,4100 4810,4100 4810,4070 4880,4070 4910,4040 4910,3990 4920,3980
GND on Top Layer "NONET_L01_P-001" (solid, pour order 62): 4520,3980 4510,3990 4510,4080 4490,4100 4170,4100 4150,4120 4150,4160 4170,4180 4530,4180 4610,4100 4690,4100 4690,4070 4620,4070 4590,4040 4590,3990 4580,3980
NetR4_1 on Top Layer "NONET_L01_P-001" (solid, pour order 63): 4700,4160 4720,4160 4720,4330 4700,4350 4640,4350 4630,4340 4630,4220 4640,4210 4690,4210 4700,4200
NetR3_1 on Top Layer "NONET_L01_P-001" (solid, pour order 64): 4780,4160 4800,4160 4800,4200 4810,4210 4860,4210 4870,4220 4870,4340 4860,4350 4800,4350 4780,4330
NetC8_1 on Top Layer "NONET_L01_P-001" (solid, pour order 65): 5010,3880 4990,3900 4990,4080 5010,4100 5120,4100 5140,4080 5140,3900 5120,3880
NetC9_1 on Top Layer "NONET_L01_P-001" (solid, pour order 66): 4510,3900 4490,3880 4380,3880 4360,3900 4360,4080 4380,4100 4490,4100 4510,4080
+7V on Top Layer "NONET_L01_P-001" (solid, pour order 69): 5150,3620 5170,3600 5230,3600 5250,3620 5250,3860 5270,3880 5330,3880 5350,3900 5350,4080 5330,4100 5170,4100 5150,4080
+6V on Top Layer "NONET_L01_P-001" (solid, pour order 72): 4350,3900 4330,3880 4170,3880 4150,3900 4150,4080 4170,4100 4330,4100 4350,4080
NetC17_1 on Top Layer "NONET_L01_P-001" (solid, pour order 74): 3800,3730 3790,3720 3790,3690 3780,3680 3740,3680 3730,3690 3730,3730 3720,3740 3360,3740 3340,3760 3340,3870 3360,3890 3790,3890 3800,3880
NetR11_1 on Top Layer "NONET_L01_P-001" (solid, pour order 77): 3840,3950 3850,3950 3860,3960 3860,4100 3890,4130 3920,4130 3930,4140 3930,4280 3920,4290 3870,4290 3860,4280 3860,4130 3840,4110
+10V on Top Layer "+10V_L01_P008" (solid, pour order 8): 4600,1950 4450,1950 4400,2000 4200,2000 4150,2050 4150,2300 4200,2350 4900,2350 5000,2250 5000,2050 4900,1950 4750,1950 4700,2000 4650,2000
GND on Top Layer "Top Layer-No Net" (solid, shelved, pour order 45): 5050,3800 5100,3750 5100,3650 5150,3600 5400,3600 5400,1950 5150,1950 5050,2050 5050,2350 5000,2400 4200,2400 4050,2250 4050,1250 4000,1200 3950,1200 3850,1100 3850,600 1500,600 1500,2400 2200,2400 2350,2550 2400,2550 2550,2700 3000,2700 3100,2600 3200,2600 3600,3000 4100,3000 4100,3700 4200,3800
GND on Top Layer "GND_L01_P020" (solid, pour order 20): 1980,2940 cw(c1980,2860) 2060,2860 2060,2820 2020,2820 2020,2860 ccw(c1980,2860) 1980,2900 1500,2900 1500,2940
GND on Top Layer "GND_L01_P021" (solid, pour order 21): 1500,2480 1980,2480 ccw(c1980,2520) 2020,2520 2020,2640 2060,2640 2060,2520 cw(c1980,2520) 1980,2440 1500,2440
NetD5_1 on Top Layer "NETD5_1_L01_P000" (solid, pour order 0): 4050,1000 3950,1000 3900,1050 3900,1150 3950,1200 4000,1200 4050,1250 4050,1500 4100,1550 4200,1550 4250,1500 4250,1400 4300,1350 4300,1300 4350,1250 4350,950 4400,900 4550,900 4600,850 4600,700 4550,650 4400,650
NetD4_2 on Top Layer "NETD4_2_L01_P001" (solid, pour order 1): 4300,1350 4300,1300 4350,1250 4450,1250 4500,1300 4500,1400 4550,1450 4550,1600 4600,1650 4600,1700 4650,1750 4800,1750 4850,1700 4850,1400 4900,1350 4900,1300 4950,1250 5100,1250 5150,1300 5150,1750 5050,1850 4800,1850 4750,1900 4750,1950 4700,2000 4650,2000 4600,1950 4600,1900 4500,1800 4300,1800 4250,1750 4250,1400
NetD4_1 on Top Layer "NETD4_1_L01_P002" (solid, pour order 2): 4950,1200 5000,1150 5150,1150 5200,1200 5200,1250 5250,1300 5300,1300 5350,1250 5350,1200 5250,1100 5200,1100 5150,1050 5000,1050 4950,1000 4950,950 4850,850 4850,700 4800,650 4650,650 4600,700 4600,850 4650,900 4650,1550 4700,1600 4800,1600 4850,1550 4850,1400 4900,1350 4900,1300 4950,1250
GND on Top Layer "GND_L01_P004" (solid, pour order 4): 4600,1250 4650,1200 4650,1100 4600,1050 4400,1050 4350,1100 4350,1200 4400,1250
GND on Top Layer "GND_L01_P005" (solid, pour order 5): 5150,1450 5200,1500 5300,1500 5350,1450 5350,1350 5300,1300 5250,1300 5200,1250 5200,1200 5150,1150 5000,1150 4950,1200 4950,1250 5100,1250 5150,1300
GND on Top Layer "GND_L01_P007" (solid, pour order 7): 5150,1050 5200,1100 5300,1100 5350,1050 5350,900 5300,850 5250,850 5150,950
no net on Top Overlay "NONET_L01_P-001" (solid): 4950,2540 4920,2540 4920,3360 4950,3360
no net on Top Overlay "NONET_L01_P-001" (solid): 4550,2840 4550,2760 5320,2760 5320,2840
no net on Top Overlay "NONET_L01_P-001" (solid): 4550,3140 5320,3140 5320,3060 4550,3060
no net on Top Overlay "NONET_L01_P-001" (solid): 3250,1650 3150,1750 3275,1750 3275,1650
no net on Top Overlay "NONET_L01_P-001" (solid): 3750,1750 3850,1650 3725,1650 3725,1750
no net on Top Overlay "NONET_L01_P-001" (solid): 3700,2300 3800,2400 3825,2400 3825,2300
no net on Top Overlay "NONET_L01_P-001" (solid): 1750,3650 1775,3650 1775,3750 1650,3750
no net on Top Overlay "NONET_L01_P-001" (solid): 2000,3650 1975,3650 1975,3750 2100,3750
no net on Top Overlay "NONET_L01_P-001" (solid): 3800,3100 3790,3100 3790,3000 3900,3000
no net on Top Overlay "NONET_L01_P-001" (solid): 3400,3100 3500,3000 3510,3000 3510,3100
no net on Top Overlay "NONET_L01_P-001" (solid): 4400,2500 4375,2500 4375,2400 4500,2400
no net on Top Overlay "NONET_L01_P-001" (solid): 3950,2400 4050,2400 4050,2500
no net on Top Overlay "NONET_L01_P-001" (solid): 4100,2300 4075,2300 4075,2400 4200,2400
no net on Top Overlay "NONET_L01_P-001" (solid): 3425,2925 3400,2925 3300,2675 3425,2675
no net on Top Overlay "NONET_L01_P-001" (solid): 4175,2675 4200,2675 4300,2925 4175,2925
GND on Bottom Layer "GND_L04_P046" (solid, pour order 46): 1500,4500 5405.02,4500 5405.02,600 1500,600
NetC8_1 on Bottom Layer "NONET_L01_P-001" (solid, pour order 70): 5050,3940 5030,3920 4890,3920 4830,3980 4830,4040 4850,4060 5030,4060 5050,4040
NetC9_1 on Bottom Layer "NONET_L01_P-001" (solid, pour order 71): 4450,3940 4470,3920 4610,3920 4670,3980 4670,4040 4650,4060 4470,4060 4450,4040
+7V on Int2 (PWR) "NONET_L01_P-001" (solid, pour order 97): 5100,3700 5100,4050 5150,4100 5350,4100 5400,4050 5400,2400 4950,2400 4900,2450 4900,3500
+6V on Int2 (PWR) "NONET_L01_P-001" (solid, pour order 96): 4200,3350 4300,3450 4300,3800 4150,3950 4150,4000 4250,4100 4500,4100 4550,4050 4550,3750 4700,3600 4800,3600 4900,3500 4900,2450 4850,2400 4500,2400 4350,2550 4350,3150 4300,3200 4250,3200 4200,3250
+10V on Int2 (PWR) "NONET_L01_P-001" (solid, pour order 98): 3300,3800 3000,4100 3000,4500 4150,4500 4250,4400 4250,4100 4150,4000 4150,3950 4300,3800 4300,3450 4200,3350 4200,3250 4250,3200 4300,3200 4350.61,3149.39 4350.61,2549.39 4500,2400 5400,2400 5400,600 4000,600 4000,2550 3900,2650 3900,3300 4050,3450 4050,3650 3900,3800
+3V3 on Int2 (PWR) "NONET_L01_P-001" (solid, pour order 94): 3900,2650 4000,2550 4000,600 1500,600 1500,4500 3000,4500 3000,4100 3300,3800 3900,3800 4050,3650 4050,3450 3900,3300
GND on Int1 (GND) "Int1 (GND)-GND" (solid, pour order 53): 1500,600 5405.02,600 5405.02,4500 1500,4500

## Other copper
Top Layer:
  pour cut-out: 2398.67,2240.7 2480.7,2240.7 2576,2336 2565,2347 2565,2370 2440,2370 2398.67,2328.67
  pour cut-out: 2400,2150 2550,2000 2750,2000 2800,2050 2800,2300 2700,2400 2615.82,2400 2565.82,2350 2500,2350 2400,2250
Int1 (GND):
  pour cut-out: 3030,2700 3030,2670 3100,2600 3200,2600 3260,2660 3255,2665 3195,2605 3105,2605 3035,2675 3035,2695 3095,2755 3095,2815 3010,2900 3037.5,2927.5 3080,2885 3265,2885 3355,2795 3355,2765 3280,2690 3285,2685 3360,2760 3360,2800 3270,2890 3080,2890 3035,2935 3000,2900 3090,2810 3090,2760
  pour cut-out: 2155,3050 2155,3045 2005,3045 2005,2955 2155,2805 2155,2755 2200,2755 2305,2860 2305,3045 2180,3045 2180,3050 2310,3050 2310,2860 2200,2750 2150,2750 2150,2800 2000,2950 2000,3050
Int2 (PWR):
  pour cut-out: 3030,2670 3100,2600 3200,2600 3360,2760 3360,2800 3270,2890 3080,2890 3035,2935 3000,2900 3090,2810 3090,2760 3030,2700
  pour cut-out: 2000,3050 2000,2950 2150,2800 2150,2750 2200,2750 2250,2800 2310,2860 2310,3050
Bottom Layer:
  pour cut-out: 3030,2670 3100,2600 3200,2600 3360,2760 3360,2800 3270,2890 3080,2890 3035,2935 3000,2900 3090,2810 3090,2760 3030,2700

## Silkscreen, mask and mechanical layers (free items; w line width, h text height)
Top Overlay:
  lines w10: 1500,1750 3350,1750 3750,1750 ; 1500,3750 2750,3750 3050,3750 3200,3600 3200,3400 3300,3300 3350,3250 3350,3150 3500,3000 4100,3000 ; 1650,3750 1750,3650 2000,3650 2100,3750 ; 1692.52,2231.89 1720,2260 ; 2275,2075 2300,2100 ; 2325,2075 2300,2100 ; 2475,1875 2500,1900 ; 2475,1925 2500,1900 ; 3850,600 3850,1300 3850,1650 3750,1750 ; 3950,2400 4050,2500 4250,2500 4350,2600 4350,2900 4300,2950 4150,2950 4100,3000 ; 4550,2760 4550,3140 ; 4850,2540 4950,2540 ; 4850,3360 4950,3360 ; 5400,2400 3800,2400 3700,2300 3700,2000 3700,1800 3750,1750 ; 5400,3800 5350,3800 4200,3800 4100,3700 ; 2300,2100 2300,1900 2500,1900 ; 4100,3000 4100,3200 4100,3700 ; 4100,3700 4100,3700
  text "ESP" at 1571.5,4098.12 h60
  text "6V" at 2645,4005 h60
  text "+3V3" at 1725,3972.5 h60
  text "18V MAX" at 1944.21,3942.52 h100
  text "7V" at 2645,3905 h60
  text "GND" at 1725,3872.5 h60
  text "3V3" at 2645,3805 h60
  text "A0" at 4225,3693.02 h60
  text "SWD" at 2155,3665 h60
  text "MCU" at 1750,3651.5 h100
  text "A1" at 4225,3643.02 h60
  text "A2" at 4225,3593.02 h60
  text "A3" at 4225,3543.02 h60
  text "STATUS" at 2849.21,3497.5 h60
  text "A4" at 4225,3493.02 h60
  text "A5" at 4225,3443.02 h60
  text "PWM5" at 4920,3140 h60 r90
  text "PWM10" at 5320,3140 h60 r90
  text "Power" at 3500,3001.5 h100
  text "PWM6" at 4920,2840 h60 r90
  text "PWM9" at 5320,2840 h60 r90
  text "VISION" at 3400,2675 h250
  text "PWM7" at 4920,2540 h60 r90
  text "PWM8" at 5320,2540 h60 r90
  text "Video Integration System for Indepth / Oberservation and Navigation" at 3291.33,2532.18 h60
  text "SIG" at 4627.5,2420 h50 r90
  text "6V" at 4727.5,2420 h50 r90
  text "GND" at 4827.5,2420 h50 r90
  text "SIG" at 5027.5,2420 h50 r90
  text "7V" at 5127.5,2420 h50 r90
  text "GND" at 5227.5,2420 h50 r90
  text "Servos" at 4050,2400 h100
  text "Driver" at 3800,2300 h100
  text "BOOT" at 1710,2250 h100
  text "RESET" at 3131.62,2250 h60 r90
  text "Y" at 2275,2123.58 h60
  text "RUN" at 1582.58,2105 h40 r90
  text "LOAD" at 1582.58,1968.75 h40 r90
  text "X" at 2500,1873.58 h60
  text "External IO" at 3250,1650 h100
  text "PWR" at 3333.5,1497.12 h100
  text "I2C1" at 2186.81,1494.09 h100
  text "USART3" at 1586.81,1493.31 h100
  text "SPI2" at 2766.14,1493.31 h100
  text "+3V3" at 3485,1372.5 h60
  text "CK" at 1815,1362.42 h60
  text "SCL" at 2415,1362.42 h60
  text "SCK" at 2994.33,1362.42 h60
  text "GND" at 3485,1272.5 h60
  text "TX" at 1815,1262.42 h60
  text "SDA" at 2415,1262.42 h60
  text "MOSI" at 2994.33,1262.42 h60
  text "RX" at 1813.19,1162.42 h60
  text "+3V3" at 2415,1162.42 h60
  text "MISO" at 2992.52,1162.42 h60
  text "+3V3" at 1815,1067.42 h60
  text "+3V3" at 2994.33,1067.42 h60
  text "GND" at 2415,1062.42 h60
  text "GND" at 1815,967.42 h60
  text "GND" at 2994.33,967.42 h60
  text "MOTOR" at 4400,625.5 h80 r90
Mechanical 1:
  lines w10: 1500,800 1500,4300 cw(c1700,4300) 1700,4500 5200,4500 cw(c5200,4300) 5400,4300 5400,805 cw(c5200,805) 5200,605 1700,605 cw(c1700,805) 1500,805

## Text inside footprints (layer, text, board x,y; h text height)
J12: Mechanical 1 "PCB EDGE" at 1538.98,3494.09 h11.81 r270